# Altium PCB BLDC_DRIVER_1.1_auto.PcbDoc (part 3 of 3)
Units mm, origin at the board's own origin, x right, y up, seen from the top; angles counter-clockwise.
Board outline 152.4 x 126.75 mm, 4 copper layers (Top Layer, Signal Layer 1, Signal Layer 2, Bottom Layer), stack 0.847 mm thick; 192 components, 186 nets, 852 pads, 371 vias.
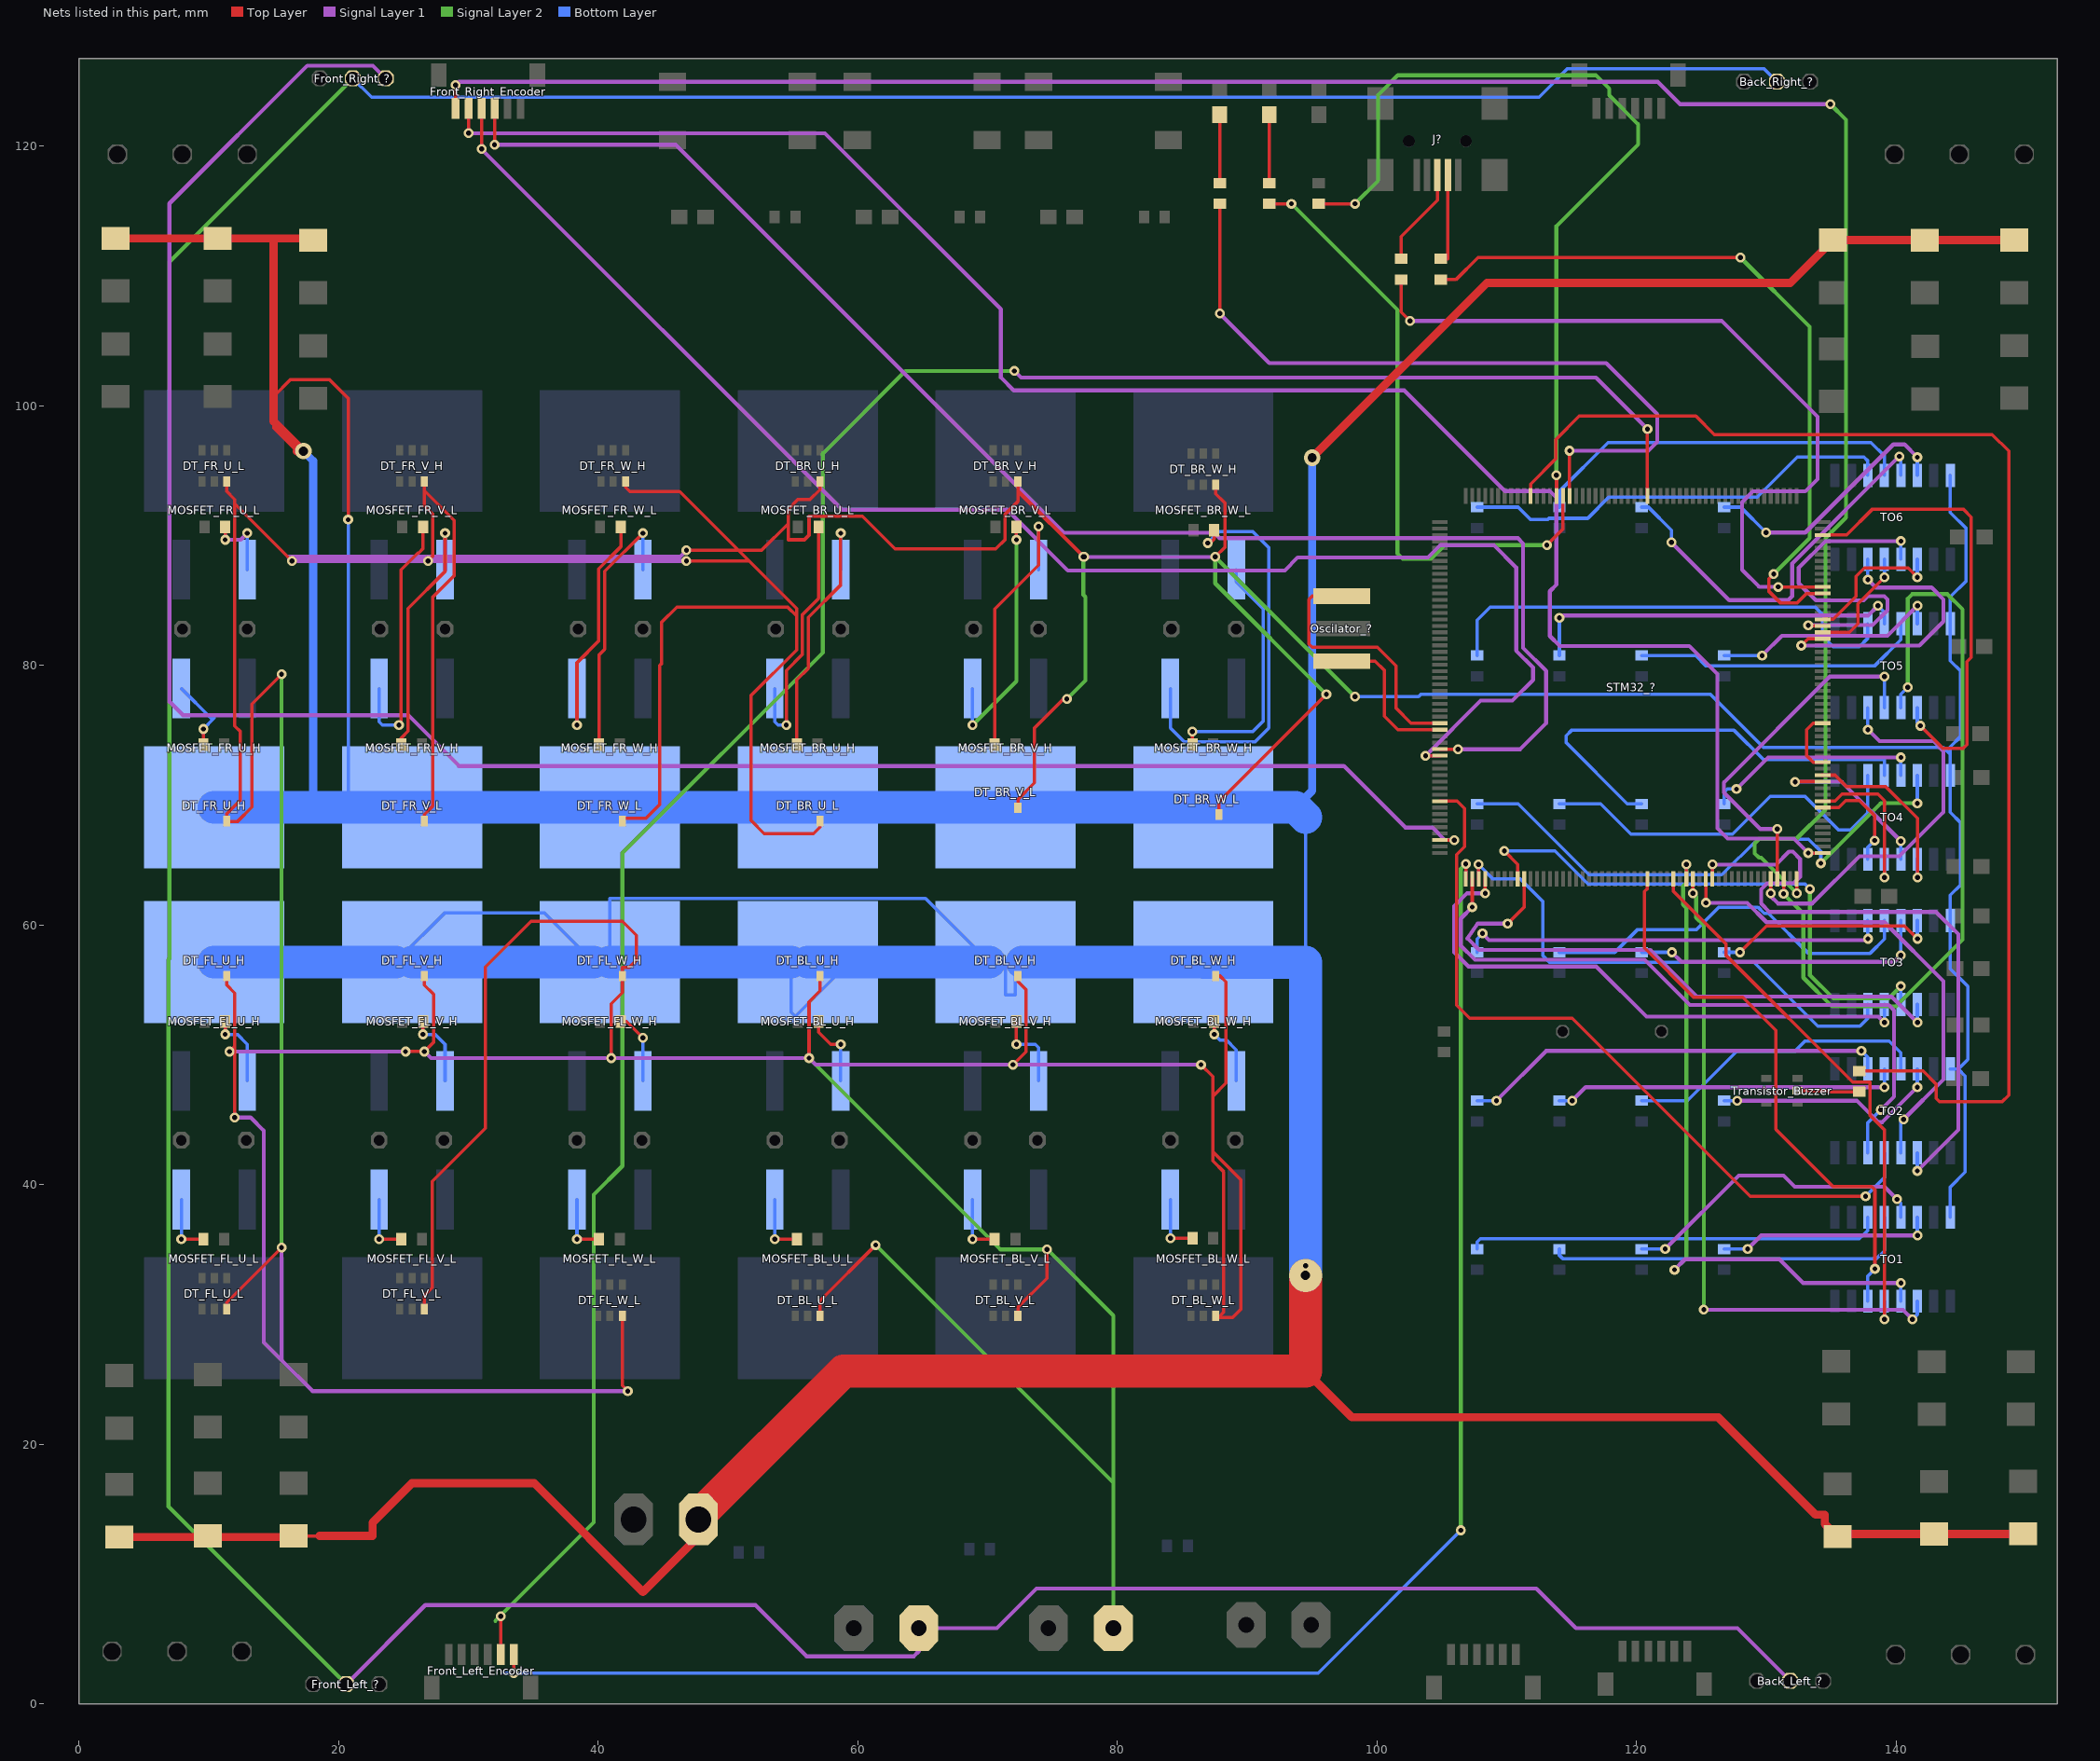
[diagram p5: the nets of this part, all layers, seen from the top]

## Via types
v1: diameter 0.762, hole 0.381, Top Layer to Bottom Layer, 350 vias
v2: diameter 1.27, hole 0.711, Top Layer to Bottom Layer, 11 vias
v3: diameter 4.064, hole 4.064, Top Layer to Bottom Layer, 4 vias
v4: diameter 1.27, hole 0.711, Top Layer to Bottom Layer, tented both sides, 3 vias
v5: diameter 1.5, hole 1.2, Top Layer to Bottom Layer, 2 vias
v6: diameter 2.54, hole 0.711, Top Layer to Bottom Layer, 1 vias

## Nets (pads, with @x,y where several pads share a name; then routed paths per layer and width w, separated by ;. In a path a pad name is that pad's centre, name@x,y a point inside that pad or via, vN(x,y) a via of type N, cw(c..) or ccw(c..) an arc to the next point about the centre after c; other vN are vias at no path point) (continued)
NetFront_Left_Encoder_5: Front_Left_Encoder.5 STM32_?.180 | length 176.5
  Top Layer w0.254: Front_Left_Encoder.5@32.478,3.82 v1(32.478,6.756) ; STM32_?.180@120.83,93.056 v1(120.83,98.22)
  Signal Layer 1 w0.305: v1(72.06,102.692) 72.568,102.184 116.865,102.184 v1(120.83,98.22)
  Signal Layer 2 w0.305: 32.063,6.409 39.649,13.995 39.649,39.243 41.859,41.453 41.859,65.556 57.302,80.999 57.302,96.342 63.652,102.692 v1(72.06,102.692)
NetFront_Left_Encoder_6: Front_Left_Encoder.6 STM32_?.53 | length 132.4
  Top Layer w0.254: v1(33.478,2.388) Front_Left_Encoder.6@33.478,3.82 ; STM32_?.53@106.83,63.556 106.83,64.717 v1(106.832,64.719)
  Signal Layer 2 w0.305: v1(106.451,13.386) 106.451,64.338 v1(106.832,64.719)
  Bottom Layer w0.254: 32.716,2.388 95.453,2.388 v1(106.451,13.386)
NetFront_Right_?_3: Front_Right_?.3 STM32_?.50 | length 164.4
  Top Layer w0.254: STM32_?.50@104.83,66.556 v1(105.943,66.556)
  Signal Layer 1 w0.305: Front_Right_?.3@23.622,125.222 22.631,126.213 17.577,126.213 6.96,115.595 6.96,77.216 8.001,76.175 25.349,76.175 29.261,72.263 97.434,72.263 102.184,67.513 104.267,67.513 105.224,66.556 v1(105.943,66.556)
NetFront_Right_Encoder_3: Front_Right_Encoder.3 STM32_?.36 | length 118.4
  Top Layer w0.254: v1(32.004,120.117) 32.006,120.119 Front_Right_Encoder.3@32.006,122.926 ; STM32_?.36@104.83,73.556 v1(106.246,73.556)
  Signal Layer 1 w0.305: v1(32.004,120.117) 45.961,120.117 75.856,90.221 87.452,90.221 87.859,89.814 110.846,89.814 111.252,89.408 111.252,81.356 113.03,79.578 113.03,75.565 111.021,73.556 v1(106.246,73.556)
NetFront_Right_Encoder_4: Front_Right_Encoder.4 STM32_?.37 | length 118.8
  Top Layer w0.254: v1(31.006,119.786) Front_Right_Encoder.4@31.006,122.926 ; v1(103.734,73.05) 103.739,73.056 STM32_?.37@104.83,73.056
  Signal Layer 1 w0.305: v1(31.006,119.786) 58.794,91.999 71.501,91.999 76.175,87.325 92.888,87.325 93.878,88.316 103.911,88.316 104.877,89.281 108.991,89.281 110.719,87.554 110.719,81.153 112.014,79.858 112.014,78.892 110.414,77.292 107.975,77.292 v1(103.734,73.05)
NetFront_Right_Encoder_5: Front_Right_Encoder.5 STM32_?.105 | length 146.2
  Top Layer w0.254: v1(29.997,121.006) 30.006,121.014 Front_Right_Encoder.5@30.006,122.926 ; v1(133.223,65.556) STM32_?.105@134.33,65.556
  Signal Layer 1 w0.305: v1(29.997,121.006) 57.455,121.006 71.018,107.442 71.018,102.184 72.009,101.194 102.083,101.194 109.83,93.447 113.284,93.447 113.817,92.913 113.817,86.233 113.309,85.725 113.309,82.271 114.071,81.509 124.054,81.509 126.213,79.35 126.213,67.462 127,66.675 132.104,66.675 v1(133.223,65.556)
NetFront_Right_Encoder_6: Front_Right_Encoder.6 STM32_?.104 | length 176.9
  Top Layer w0.254: Front_Right_Encoder.6@29.006,122.926 v1(29.007,124.714) ; STM32_?.104@132.33,63.556 132.33,62.463 v1(132.334,62.459)
  Signal Layer 1 w0.305: v1(29.007,124.714) 29.261,124.968 121.615,124.968 123.342,123.241 v1(134.925,123.241)
  Signal Layer 2 w0.305: v1(132.334,62.459) 129.601,65.191 129.434,65.191 129.093,65.532 129.093,66.294 129.449,66.65 132.309,66.65 134.544,68.885 134.544,89.818 136.119,91.393 136.119,122.047 v1(134.925,123.241)
NetG_1: G.1 R180_LED_G.2 | length 5.3
  Top Layer w0.254: R180_LED_G.2@91.694,117.17 G.1@91.694,122.428
NetJ?_2: J?.2 R22_D-.2 | length 7
  Top Layer w0.254: R22_D-.2@104.902,111.328 105.448,111.328 J?.2@105.448,117.791
NetJ?_3: J?.3 R22_D+.2 | length 7.6
  Top Layer w0.254: R22_D+.2@101.854,111.328 101.854,113.055 104.648,115.849 J?.3@104.648,117.791
NetMOSFET_BL_U_H_G: MOSFET_BL_U_H.G R_BL_U_H.2 | length 5.7
  Top Layer w0.254: R_BL_U_H.2@56.972,52.578 56.972,51.765 57.912,50.825 v1(58.674,50.825)
  Bottom Layer w0.254: MOSFET_BL_U_H.G@58.674,48.006 v1(58.674,50.825)
NetMOSFET_BL_U_L_G: MOSFET_BL_U_L.G R_BL_U_L.2 | length 4.7
  Top Layer w0.254: v1(53.594,35.814) R_BL_U_L.2@55.296,35.814
  Bottom Layer w0.254: v1(53.594,35.814) MOSFET_BL_U_L.G@53.594,38.862
NetMOSFET_BL_V_H_G: MOSFET_BL_V_H.G R_BL_V_H.2 | length 6.1
  Top Layer w0.254: v1(72.212,50.825) R_BL_V_H.2@72.212,52.578
  Bottom Layer w0.254: v1(72.212,50.825) 73.66,50.825 73.914,50.571 MOSFET_BL_V_H.G@73.914,48.006
NetMOSFET_BL_V_L_G: MOSFET_BL_V_L.G R_BL_V_L.2 | length 4.7
  Top Layer w0.254: v1(68.834,35.814) R_BL_V_L.2@70.536,35.814
  Bottom Layer w0.254: v1(68.834,35.814) MOSFET_BL_V_L.G@68.834,38.862
NetMOSFET_BL_W_H_G: MOSFET_BL_W_H.G R_BL_W_H.2 | length 5.6
  Top Layer w0.254: v1(87.452,51.587) R_BL_W_H.2@87.452,52.578
  Bottom Layer w0.254: v1(87.452,51.587) 87.884,51.156 88.392,51.156 89.154,50.394 MOSFET_BL_W_H.G@89.154,48.006
NetMOSFET_BL_W_L_G: MOSFET_BL_W_L.G R_BL_W_L.2 | length 4.7
  Top Layer w0.254: v1(84.074,35.872) R_BL_W_L.2@85.776,35.872
  Bottom Layer w0.254: v1(84.074,35.872) MOSFET_BL_W_L.G@84.074,38.862
NetMOSFET_BR_U_H_G: MOSFET_BR_U_H.G R_BR_U_H.2 | length 19.9
  Top Layer w0.254: v1(54.483,75.413) 54.483,79.627 55.731,80.875 55.731,83.925 56.972,85.166 R_BR_U_H.2@56.972,90.678
  Bottom Layer w0.254: MOSFET_BR_U_H.G@53.594,78.232 53.594,75.667 53.848,75.413 v1(54.483,75.413)
NetMOSFET_BR_U_L_G: MOSFET_BR_U_L.G R_BR_U_L.2 | length 20.5
  Top Layer w0.254: R_BR_U_L.2@55.296,73.914 55.296,78.889 56.189,79.781 56.189,83.718 58.674,86.204 v1(58.674,90.195)
  Bottom Layer w0.254: MOSFET_BR_U_L.G@58.674,87.376 v1(58.674,90.195)
NetMOSFET_BR_V_H_G: MOSFET_BR_V_H.G R_BR_V_H.2 | length 19.5
  Top Layer w0.254: v1(72.212,89.687) R_BR_V_H.2@72.212,90.678
  Signal Layer 2 w0.305: v1(68.834,75.413) 72.212,78.791 v1(72.212,89.687)
  Bottom Layer w0.254: v1(68.834,75.413) MOSFET_BR_V_H.G@68.834,78.232
NetMOSFET_BR_V_L_G: MOSFET_BR_V_L.G R_BR_V_L.2 | length 21.5
  Top Layer w0.254: R_BR_V_L.2@70.536,73.914 70.536,84.353 73.914,87.732 v1(73.914,90.703)
  Bottom Layer w0.254: MOSFET_BR_V_L.G@73.914,87.376 v1(73.914,90.703)
NetMOSFET_BR_W_H_G: MOSFET_BR_W_H.G R_BR_W_H.2 | length 32.3
  Top Layer w0.254: v1(86.944,89.433) 87.122,89.433 87.452,89.764 R_BR_W_H.2@87.452,90.424
  Bottom Layer w0.254: MOSFET_BR_W_H.G@84.074,78.232 84.074,75.184 85.141,74.117 90.602,74.117 91.669,75.184 91.669,89.078 90.424,90.322 87.833,90.322 v1(86.944,89.433)
NetMOSFET_BR_W_L_G: MOSFET_BR_W_L.G R_BR_W_L.2 | length 19.3
  Top Layer w0.254: R_BR_W_L.2@85.776,73.914 v1(85.776,74.905)
  Bottom Layer w0.254: v1(85.776,74.905) 90.424,74.905 91.211,75.692 91.211,84.404 89.154,86.462 MOSFET_BR_W_L.G@89.154,87.376
NetMOSFET_FL_U_H_G: MOSFET_FL_U_H.G R_FL_U_H.2 | length 5.8
  Top Layer w0.254: v1(11.252,51.587) R_FL_U_H.2@11.252,52.578
  Bottom Layer w0.254: v1(11.252,51.587) 12.192,51.587 12.954,50.825 MOSFET_FL_U_H.G@12.954,48.006
NetMOSFET_FL_U_L_G: MOSFET_FL_U_L.G R_FL_U_L.2 | length 4.7
  Top Layer w0.254: v1(7.874,35.814) R_FL_U_L.2@9.576,35.814
  Bottom Layer w0.254: v1(7.874,35.814) MOSFET_FL_U_L.G@7.874,38.862
NetMOSFET_FL_V_H_G: MOSFET_FL_V_H.G R_FL_V_H.2 | length 5.8
  Top Layer w0.254: v1(26.492,51.587) R_FL_V_H.2@26.492,52.578
  Bottom Layer w0.254: v1(26.492,51.587) 27.432,51.587 28.194,50.825 MOSFET_FL_V_H.G@28.194,48.006
NetMOSFET_FL_V_L_G: MOSFET_FL_V_L.G R_FL_V_L.2 | length 4.7
  Top Layer w0.254: v1(23.114,35.814) R_FL_V_L.2@24.816,35.814
  Bottom Layer w0.254: v1(23.114,35.814) MOSFET_FL_V_L.G@23.114,38.862
NetMOSFET_FL_W_H_G: MOSFET_FL_W_H.G R_FL_W_H.2 | length 5.5
  Top Layer w0.254: R_FL_W_H.2@41.732,52.578 42.181,52.578 v1(43.434,51.325)
  Bottom Layer w0.254: MOSFET_FL_W_H.G@43.434,48.006 v1(43.434,51.325)
NetMOSFET_FL_W_L_G: MOSFET_FL_W_L.G R_FL_W_L.2 | length 4.7
  Top Layer w0.254: v1(38.354,35.814) R_FL_W_L.2@40.056,35.814
  Bottom Layer w0.254: v1(38.354,35.814) MOSFET_FL_W_L.G@38.354,38.862
NetMOSFET_FR_U_H_G: MOSFET_FR_U_H.G R_FR_U_H.2 | length 5.9
  Top Layer w0.254: R_FR_U_H.2@9.576,73.914 v1(9.576,75.108)
  Bottom Layer w0.254: MOSFET_FR_U_H.G@7.874,78.232 10.16,75.946 10.414,75.946 v1(9.576,75.108)
NetMOSFET_FR_U_L_G: MOSFET_FR_U_L.G R_FR_U_L.2 | length 5.7
  Top Layer w0.254: v1(11.252,89.687) R_FR_U_L.2@11.252,90.678
  Signal Layer 1 w0.305: v1(11.252,89.687) 12.446,89.687 v1(12.954,90.195)
  Bottom Layer w0.254: MOSFET_FR_U_L.G@12.954,87.376 v1(12.954,90.195)
NetMOSFET_FR_V_H_G: MOSFET_FR_V_H.G R_FR_V_H.2 | length 20.3
  Top Layer w0.254: v1(24.638,75.413) 24.794,75.569 24.794,87.376 26.09,88.671 26.162,88.671 26.492,89.002 R_FR_V_H.2@26.492,90.678
  Bottom Layer w0.254: MOSFET_FR_V_H.G@23.114,78.232 23.114,75.667 23.368,75.413 v1(24.638,75.413)
NetMOSFET_FR_V_L_G: MOSFET_FR_V_L.G R_FR_V_L.2 | length 20.5
  Top Layer w0.254: R_FR_V_L.2@24.816,73.914 24.816,74.422 25.349,74.955 25.349,84.404 28.194,87.249 v1(28.194,90.195)
  Bottom Layer w0.254: MOSFET_FR_V_L.G@28.194,87.376 v1(28.194,90.195)
NetMOSFET_FR_W_H_G: MOSFET_FR_W_H.G R_FR_W_H.2 | length 19.5
  Top Layer w0.254: v1(38.354,75.413) 38.354,80.213 40.034,81.893 40.034,87.456 41.732,89.154 R_FR_W_H.2@41.732,90.678
  Bottom Layer w0.254: v1(38.354,75.413) MOSFET_FR_W_H.G@38.354,78.232
NetMOSFET_FR_W_L_G: MOSFET_FR_W_L.G R_FR_W_L.2 | length 20.5
  Top Layer w0.254: R_FR_W_L.2@40.056,73.914 40.056,80.819 40.491,81.255 40.491,87.253 v1(43.434,90.195)
  Bottom Layer w0.254: MOSFET_FR_W_L.G@43.434,87.376 v1(43.434,90.195)
NetOscilator_?_1: Oscilator_?.1 STM32_?.32 | length 20.6
  Top Layer w0.254: Oscilator_?.1@97.282,85.344 94.996,85.344 94.742,85.09 94.742,81.661 94.996,81.407 100.025,81.407 101.448,79.985 101.448,76.724 102.616,75.556 STM32_?.32@104.83,75.556
NetOscilator_?_3: Oscilator_?.3 STM32_?.33 | length 11.8
  Top Layer w0.254: Oscilator_?.3@97.282,80.344 99.853,80.344 100.559,79.638 100.559,76.097 101.6,75.056 STM32_?.33@104.83,75.056
NetR22_D+_1: R22_D+.1 STM32_?.146 | length 61.2
  Top Layer w0.254: R22_D+.1@101.854,109.728 101.854,107.239 v1(102.54,106.553) ; v1(130.912,86.055) STM32_?.146@134.33,86.056
  Signal Layer 1 w0.305: v1(102.54,106.553) 126.543,106.553 133.934,99.162 133.934,94.361 132.994,93.421 128.956,93.421 128.118,92.583 128.118,87.376 129.438,86.055 v1(130.912,86.055)
NetR22_D-_1: R22_D-.1 STM32_?.145 | length 57.8
  Top Layer w0.254: R22_D-.1@104.902,109.728 106.07,109.728 107.772,111.43 v1(127.991,111.43) ; v1(130.556,87.046) 130.2,86.69 130.2,85.7 131.064,84.837 132.377,84.837 133.096,85.556 STM32_?.145@134.33,85.556
  Signal Layer 2 w0.305: v1(127.991,111.43) 133.325,106.096 133.325,89.814 v1(130.556,87.046)
NetR180_LED_B_1: R180_LED_B.1 STM32_?.194 | length 65.7
  Top Layer w0.254: R180_LED_B.1@95.504,115.57 v1(98.298,115.57) ; v1(113.817,94.666) 113.83,94.653 STM32_?.194@113.83,93.056
  Signal Layer 2 w0.305: v1(98.298,115.57) 100.076,117.348 100.076,123.952 101.6,125.476 116.84,125.476 117.881,124.435 117.881,123.929 120.119,121.691 120.119,120.149 113.817,113.847 v1(113.817,94.666)
NetR180_LED_G_1: R180_LED_G.1 STM32_?.193 | length 48.4
  Top Layer w0.254: R180_LED_G.1@91.694,115.57 v1(93.396,115.57) ; v1(113.081,89.281) 114.33,90.53 STM32_?.193@114.33,93.056
  Signal Layer 2 w0.305: v1(93.396,115.57) 101.575,107.391 101.575,88.621 101.981,88.214 104.165,88.214 105.232,89.281 v1(113.081,89.281)
NetR180_LED_R_1: R180_LED_R.1 STM32_?.192 | length 58
  Top Layer w0.254: v1(87.884,107.112) R180_LED_R.1@87.884,115.57 ; STM32_?.192@114.83,93.056 v1(114.83,96.545)
  Signal Layer 1 w0.305: v1(87.884,107.112) 91.694,103.302 117.653,103.302 121.59,99.365 121.59,97.231 120.904,96.545 v1(114.83,96.545)
NetR180_LED_R_2: R180_LED_R.2 R.1 | length 5.3
  Top Layer w0.254: R180_LED_R.2@87.884,117.17 R.1@87.884,122.428
NetR_DT_BL_U_H_1: R_DT_BL_U_H.1 TO2.13 | length 23.5
  Bottom Layer w0.254: R_DT_BL_U_H.1@120.396,46.482 123.901,46.482 127.711,50.292 132.182,50.292 132.969,51.079 139.438,51.079 140.352,50.165 TO2.13@140.352,48.926
NetR_DT_BL_U_L_1: R_DT_BL_U_L.1 TO3.12 | length 29.8
  Bottom Layer w0.254: R_DT_BL_U_L.1@114.046,57.912 118.313,57.912 120.04,59.639 124.587,59.639 126.34,61.392 129.337,61.392 129.819,60.909 130.15,60.909 133.223,57.836 137.99,57.836 139.082,58.928 TO3.12@139.082,60.356
NetR_DT_BL_V_H_1: R_DT_BL_V_H.1 TO2.14 | length 18.1
  Signal Layer 1 w0.305: v1(127.737,46.482) 136.957,46.482 138.608,44.831 138.93,44.831 v1(141.622,47.523)
  Bottom Layer w0.254: R_DT_BL_V_H.1@126.746,46.482 v1(127.737,46.482) ; v1(141.622,47.523) TO2.14@141.622,48.926
NetR_DT_BL_V_L_1: R_DT_BL_V_L.1 TO3.13 | length 23.1
  Signal Layer 1 w0.305: v1(122.707,57.912) 123.444,57.175 139.844,57.175 v1(140.352,57.683)
  Bottom Layer w0.254: R_DT_BL_V_L.1@120.396,57.912 v1(122.707,57.912) ; v1(140.352,57.683) TO3.13@140.352,60.356
NetR_DT_BL_W_H_1: R_DT_BL_W_H.1 TO3.11 | length 33
  Signal Layer 1 w0.305: v1(108.12,59.36) 108.628,58.852 137.719,58.852 v1(137.82,58.953)
  Bottom Layer w0.254: R_DT_BL_W_H.1@107.696,57.912 107.696,58.935 v1(108.12,59.36) ; TO3.11@137.812,60.356 137.812,58.962 v1(137.82,58.953)
NetR_DT_BL_W_L_1: R_DT_BL_W_L.1 TO3.14 | length 17.5
  Top Layer w0.254: v1(127.965,57.912) 129.997,59.944 140.64,59.944 v1(141.63,58.953)
  Bottom Layer w0.254: R_DT_BL_W_L.1@126.746,57.912 v1(127.965,57.912) ; TO3.14@141.622,60.356 141.622,58.962 v1(141.63,58.953)
NetR_DT_BR_U_H_1: R_DT_BR_U_H.1 TO5.13 | length 22.4
  Bottom Layer w0.254: R_DT_BR_U_H.1@120.396,80.772 124.536,80.772 125.349,79.959 138.32,79.959 140.352,81.991 TO5.13@140.352,83.216
NetR_DT_BR_U_L_1: R_DT_BR_U_L.1 TO6.12 | length 29.7
  Bottom Layer w0.254: R_DT_BR_U_L.1@114.046,92.202 114.046,93.421 117.805,97.18 138.058,97.18 139.082,96.156 TO6.12@139.082,94.646
NetR_DT_BR_V_H_1: R_DT_BR_V_H.1 TO5.14 | length 17.9
  Signal Layer 1 w0.305: v1(129.667,80.772) 131.191,82.296 139.319,82.296 v1(141.63,84.607)
  Bottom Layer w0.254: R_DT_BR_V_H.1@126.746,80.772 v1(129.667,80.772) ; TO5.14@141.622,83.216 141.622,84.599 v1(141.63,84.607)
NetR_DT_BR_V_L_1: R_DT_BR_V_L.1 TO6.13 | length 30.9
  Signal Layer 1 w0.305: v1(122.682,89.484) 127.127,85.039 131.674,85.039 131.978,85.344 131.978,87.859 v1(140.229,96.109)
  Bottom Layer w0.254: R_DT_BR_V_L.1@120.396,92.202 120.904,92.202 122.682,90.424 v1(122.682,89.484) ; v1(140.229,96.109) 140.352,95.986 TO6.13@140.352,94.646
NetR_DT_BR_W_H_1: R_DT_BR_W_H.1 TO6.11 | length 33.8
  Bottom Layer w0.254: R_DT_BR_W_H.1@107.696,92.202 110.871,92.202 111.836,91.237 113.132,91.237 113.233,91.338 116.23,91.338 117.856,92.964 129.286,92.964 132.385,96.063 137.507,96.063 137.812,95.758 TO6.11@137.812,94.646
NetR_DT_BR_W_L_1: R_DT_BR_W_L.1 TO6.14 | length 20.3
  Signal Layer 1 w0.305: v1(129.978,90.24) 132.988,90.24 139.776,97.028 140.64,97.028 v1(141.622,96.046)
  Bottom Layer w0.254: R_DT_BR_W_L.1@126.746,92.202 128.016,92.202 v1(129.978,90.24) ; TO6.14@141.622,94.646 v1(141.622,96.046)
NetR_DT_FL_U_H_1: R_DT_FL_U_H.1 TO1.11 | length 32
  Bottom Layer w0.254: R_DT_FL_U_H.1@107.696,35.052 107.696,35.585 107.95,35.839 137.16,35.839 137.812,36.491 TO1.11@137.812,37.496
NetR_DT_FL_U_L_1: R_DT_FL_U_L.1 TO1.14 | length 16.7
  Signal Layer 1 w0.305: v1(128.549,35.052) 129.591,36.093 v1(141.63,36.093)
  Bottom Layer w0.254: R_DT_FL_U_L.1@126.746,35.052 v1(128.549,35.052) ; TO1.14@141.622,37.496 141.622,36.102 v1(141.63,36.093)
NetR_DT_FL_V_H_1: R_DT_FL_V_H.1 TO1.12 | length 28.4
  Bottom Layer w0.254: R_DT_FL_V_H.1@114.046,35.052 114.046,34.569 114.3,34.315 138.472,34.315 139.082,34.925 TO1.12@139.082,37.496
NetR_DT_FL_V_L_1: R_DT_FL_V_L.1 TO2.11 | length 32.8
  Signal Layer 1 w0.305: v1(109.195,46.482) 113.03,50.317 v1(137.312,50.317)
  Bottom Layer w0.254: R_DT_FL_V_L.1@107.696,46.482 v1(109.195,46.482) ; v1(137.312,50.317) 137.812,49.818 TO2.11@137.812,48.926
NetR_DT_FL_W_H_1: R_DT_FL_W_H.1 TO1.13 | length 24.3
  Signal Layer 1 w0.305: v1(122.199,35.052) 127.864,40.716 131.318,40.716 132.182,39.853 139.09,39.853 v1(140.056,38.887)
  Bottom Layer w0.254: R_DT_FL_W_H.1@120.396,35.052 v1(122.199,35.052) ; v1(140.056,38.887) 140.352,38.591 TO1.13@140.352,37.496
NetR_DT_FL_W_L_1: R_DT_FL_W_L.1 TO2.12 | length 26.9
  Signal Layer 1 w0.305: v1(115.037,46.482) 116.078,47.523 v1(139.09,47.523)
  Bottom Layer w0.254: R_DT_FL_W_L.1@114.046,46.482 v1(115.037,46.482) ; TO2.12@139.082,48.926 139.082,47.532 v1(139.09,47.523)
NetR_DT_FR_U_H_1: R_DT_FR_U_H.1 TO4.11 | length 30.4
  Bottom Layer w0.254: R_DT_FR_U_H.1@114.046,69.342 117.221,69.342 119.558,67.005 127.381,67.005 130.302,69.926 132.969,69.926 135.543,67.352 136.517,67.352 137.812,68.648 TO4.11@137.812,71.532
NetR_DT_FR_U_L_1: R_DT_FR_U_L.1 TO4.14 | length 42.7
  Signal Layer 2 w0.305: v1(134.188,64.77) 138.811,69.393 v1(141.622,69.393)
  Bottom Layer w0.254: R_DT_FR_U_L.1@107.696,69.342 110.871,69.342 116.332,63.881 126.568,63.881 129.311,66.624 133.248,66.624 134.188,65.684 v1(134.188,64.77) ; v1(141.622,69.393) TO4.14@141.622,71.532
NetR_DT_FR_V_H_1: R_DT_FR_V_H.1 TO4.12 | length 35.2
  Bottom Layer w0.254: R_DT_FR_V_H.1@120.396,69.342 119.278,69.342 114.554,74.066 114.554,74.585 114.975,75.006 127.508,75.006 129.743,72.771 139.057,72.771 139.082,72.746 TO4.12@139.082,71.532
NetR_DT_FR_V_L_1: R_DT_FR_V_L.1 TO5.11 | length 36.9
  Bottom Layer w0.254: R_DT_FR_V_L.1@107.696,80.772 107.696,83.49 108.712,84.506 133.756,84.506 134.315,83.947 134.315,82.271 135.128,81.458 137.16,81.458 137.812,82.11 TO5.11@137.812,83.216
NetR_DT_FR_W_H_1: R_DT_FR_W_H.1 TO4.13 | length 17
  Signal Layer 1 w0.305: v1(127.686,70.485) 130.124,72.923 v1(140.36,72.923)
  Bottom Layer w0.254: R_DT_FR_W_H.1@126.746,69.342 126.746,70.231 127,70.485 v1(127.686,70.485) ; TO4.13@140.352,71.532 140.352,72.915 v1(140.36,72.923)
NetR_DT_FR_W_L_1: R_DT_FR_W_L.1 TO5.12 | length 29.4
  Signal Layer 1 w0.305: v1(114.046,83.668) 114.224,83.845 137.82,83.845 v1(138.582,84.607)
  Bottom Layer w0.254: R_DT_FR_W_L.1@114.046,80.772 v1(114.046,83.668) ; v1(138.582,84.607) 139.082,84.108 TO5.12@139.082,83.216
NetR_TRANSISTOR_Buzzer_1: R_TRANSISTOR_Buzzer.1 STM32_?.198 | length 104.9
  Top Layer w0.254: STM32_?.198@111.83,93.056 111.83,93.98 113.792,95.942 113.792,97.434 115.57,99.212 124.562,99.212 125.984,97.79 147.396,97.79 148.666,96.52 148.666,46.914 148.158,46.406 143.336,46.406 143.082,46.66 143.082,47.752 142.066,48.768 R_TRANSISTOR_Buzzer.1@137.16,48.768
NetR_TRANSISTOR_Buzzer_2: R_TRANSISTOR_Buzzer.2 Transistor_Buzzer.2 | length 4.8
  Top Layer w0.254: Transistor_Buzzer.2@132.39,47.244 134.722,47.244 134.798,47.168 R_TRANSISTOR_Buzzer.2@137.16,47.168
NetSTM32_?_44: STM32_?.44 TO2.5 | length 59.1
  Top Layer w0.254: STM32_?.44@104.83,69.556 106.172,69.556 106.731,68.997 106.731,66.04 106.121,65.43 106.121,53.848 107.137,52.832 115.037,52.832 128.754,39.114 v1(137.633,39.114)
  Bottom Layer w0.254: v1(137.633,39.114) 139.082,40.564 TO2.5@139.082,42.466
NetSTM32_?_54: STM32_?.54 TO2.6 | length 52.7
  Top Layer w0.254: v1(107.33,61.392) STM32_?.54@107.33,63.556
  Signal Layer 1 w0.305: v1(107.33,61.392) 106.451,60.513 106.451,58.42 107.544,57.328 120.625,57.328 124.104,53.848 139.421,53.848 139.827,53.442 139.827,46.791 v1(138.811,45.775)
  Bottom Layer w0.254: TO2.6@137.812,42.466 137.812,44.776 v1(138.811,45.775)
NetSTM32_?_55: STM32_?.55 TO3.6 | length 40
  Top Layer w0.254: v1(107.823,64.668) 107.83,64.661 STM32_?.55@107.83,63.556
  Bottom Layer w0.254: v1(107.823,64.668) 108.941,63.551 111.049,63.551 112.776,61.824 112.776,57.658 113.284,57.15 129.032,57.15 133.96,52.222 137.202,52.222 137.812,52.832 TO3.6@137.812,53.896
NetSTM32_?_56: STM32_?.56 TO3.5 | length 44.2
  Top Layer w0.254: v1(108.33,62.459) STM32_?.56@108.33,63.556
  Signal Layer 1 w0.305: v1(108.33,62.459) 106.934,62.459 105.943,61.468 105.943,57.912 107.036,56.82 116.891,56.82 120.752,52.959 138.625,52.959 v1(139.082,52.502)
  Bottom Layer w0.254: v1(139.082,52.502) TO3.5@139.082,53.896
NetSTM32_?_61: STM32_?.61 TO3.4 | length 43.5
  Top Layer w0.254: v1(109.804,65.71) 110.83,64.684 STM32_?.61@110.83,63.556
  Signal Layer 2 w0.305: v1(133.35,62.789) 133.35,56.159 135.153,54.356 139.412,54.356 v1(140.352,55.296)
  Bottom Layer w0.254: v1(109.804,65.71) 113.716,65.71 116.256,63.17 132.969,63.17 v1(133.35,62.789) ; TO3.4@140.352,53.896 v1(140.352,55.296)
NetSTM32_?_62: STM32_?.62 TO3.3 | length 46.4
  Top Layer w0.254: v1(110.06,60.122) 111.33,61.392 STM32_?.62@111.33,63.556
  Signal Layer 1 w0.305: v1(110.06,60.122) 107.747,60.122 106.959,58.979 107.848,58.09 121.056,58.09 124.638,54.508 139.624,54.508 v1(141.63,52.502)
  Bottom Layer w0.254: TO3.3@141.622,53.896 141.622,52.51 v1(141.63,52.502)
NetSTM32_?_81: STM32_?.81 TO1.6 | length 44.2
  Top Layer w0.254: STM32_?.81@120.83,63.556 120.83,62.816 120.599,62.586 120.599,58.242 124.384,54.458 128.168,54.458 130.734,51.892 130.734,44.271 135.127,39.878 138.1,39.878 138.354,39.624 v1(138.354,33.528)
  Bottom Layer w0.254: TO1.6@137.812,31.036 137.812,32.986 v1(138.354,33.528)
NetSTM32_?_85: STM32_?.85 TO1.5 | length 42.8
  Top Layer w0.254: STM32_?.85@122.83,63.556 122.83,62.615 126.898,58.547 126.898,57.658 136.652,47.904 137.973,47.904 137.973,45.339 139.082,44.23 v1(139.082,29.642)
  Bottom Layer w0.254: v1(139.082,29.642) TO1.5@139.082,31.036
NetSTM32_?_87: STM32_?.87 TO1.4 | length 52.9
  Top Layer w0.254: v1(123.825,64.668) 123.83,64.663 STM32_?.87@123.83,63.556
  Signal Layer 1 w0.305: v1(122.911,33.452) 123.723,34.265 130.988,34.265 132.817,32.436 v1(140.36,32.436)
  Signal Layer 2 w0.305: v1(122.911,33.452) 123.825,34.366 123.825,61.341 123.571,61.595 123.571,62.992 123.825,63.246 v1(123.825,64.668)
  Bottom Layer w0.254: TO1.4@140.352,31.036 140.352,32.427 v1(140.36,32.436)
NetSTM32_?_88: STM32_?.88 TO1.3 | length 51.5
  Top Layer w0.254: v1(124.33,62.459) STM32_?.88@124.33,63.556
  Signal Layer 1 w0.305: v1(125.171,30.378) 140.513,30.378 v1(141.249,29.642)
  Signal Layer 2 w0.305: v1(124.33,62.459) 124.587,62.202 124.587,60.579 125.171,59.995 v1(125.171,30.378)
  Bottom Layer w0.254: v1(141.249,29.642) 141.622,30.014 TO1.3@141.622,31.036
NetSTM32_?_90: STM32_?.90 TO2.4 | length 37.2
  Top Layer w0.254: v1(125.33,61.722) STM32_?.90@125.33,63.556
  Signal Layer 1 w0.305: v1(125.33,61.722) 128.511,61.722 130.009,60.223 139.09,60.223 143.637,55.677 143.637,48.112 v1(140.564,45.038)
  Bottom Layer w0.254: TO2.4@140.352,42.466 140.352,44.827 v1(140.564,45.038)
NetSTM32_?_91: STM32_?.91 TO2.3 | length 51.5
  Top Layer w0.254: STM32_?.91@125.83,63.556 125.83,64.667 v1(125.832,64.668)
  Signal Layer 1 w0.305: v1(125.832,64.668) 130.734,64.668 131.724,65.659 132.029,65.659 132.588,65.1 132.588,63.729 132.08,63.221 130.048,63.221 129.591,62.763 129.591,61.66 130.24,61.011 143.078,61.011 144.783,59.306 144.783,44.233 v1(141.622,41.072)
  Bottom Layer w0.254: v1(141.622,41.072) TO2.3@141.622,42.466
NetSTM32_?_100: STM32_?.100 TO5.6 | length 30.7
  Top Layer w0.254: v1(130.33,62.459) STM32_?.100@130.33,63.556
  Signal Layer 1 w0.305: v1(130.33,62.459) 130.33,62.227 130.886,61.671 133.528,61.671 137.16,65.303 140.233,65.303 143.637,68.707 143.637,73.406 142.875,74.168 138.709,74.168 v1(137.812,75.065)
  Bottom Layer w0.254: v1(137.812,75.065) TO5.6@137.812,76.756
NetSTM32_?_101: STM32_?.101 TO5.5 | length 28
  Top Layer w0.254: STM32_?.101@130.83,63.556 v1(130.83,67.412)
  Signal Layer 1 w0.305: v1(130.83,67.412) 129.515,67.412 126.721,70.206 126.721,70.993 134.874,79.146 v1(139.082,79.146)
  Bottom Layer w0.254: TO5.5@139.082,76.756 v1(139.082,79.146)
NetSTM32_?_102: STM32_?.102 TO5.4 | length 62.5
  Top Layer w0.254: v1(131.318,62.408) 131.33,62.42 STM32_?.102@131.33,63.556
  Signal Layer 2 w0.305: v1(131.318,62.408) 132.842,60.884 132.842,55.949 135.045,53.746 139.979,53.746 145.11,58.877 145.11,84.328 143.942,85.496 141.224,85.496 140.894,85.166 v1(140.894,78.334)
  Bottom Layer w0.254: TO5.4@140.352,76.756 140.352,77.792 v1(140.894,78.334)
NetSTM32_?_112: STM32_?.112 TO4.6 | length 8.3
  Top Layer w0.254: STM32_?.112@134.33,69.056 135.571,69.056 136.111,69.596 137.16,69.596 138.328,68.428 v1(138.328,66.523)
  Bottom Layer w0.254: TO4.6@137.812,65.072 137.812,66.006 v1(138.328,66.523)
NetSTM32_?_113: STM32_?.113 TO4.5 | length 12.5
  Top Layer w0.254: STM32_?.113@134.33,69.556 135.28,69.556 135.828,70.104 138.582,70.104 139.09,69.596 v1(139.09,63.678)
  Bottom Layer w0.254: TO4.5@139.082,65.072 139.082,63.686 v1(139.09,63.678)
NetSTM32_?_116: STM32_?.116 TO4.4 | length 13.6
  Top Layer w0.254: v1(132.207,71.044) 132.219,71.056 STM32_?.116@134.33,71.056
  Signal Layer 1 w0.305: v1(132.207,71.044) 135.78,71.044 v1(140.352,66.472)
  Bottom Layer w0.254: TO4.4@140.352,65.072 v1(140.352,66.472)
NetSTM32_?_117: STM32_?.117 TO4.3 | length 14.6
  Top Layer w0.254: STM32_?.117@134.33,71.556 135.28,71.556 136.174,70.663 139.192,70.663 141.63,68.224 v1(141.63,63.678)
  Bottom Layer w0.254: TO4.3@141.622,65.072 141.622,63.686 v1(141.63,63.678)
NetSTM32_?_119: STM32_?.119 STM32_?.125 | length 4.9
  Top Layer w0.254: STM32_?.119@134.33,72.556 133.604,72.556 133.096,73.064 133.096,75.048 133.604,75.556 STM32_?.125@134.33,75.556
NetSTM32_?_138: STM32_?.138 TO6.6 | length 23.3
  Top Layer w0.254: v1(132.678,81.534) 133.2,82.056 STM32_?.138@134.33,82.056
  Signal Layer 1 w0.305: v1(132.678,81.534) 141.783,81.534 143.637,83.388 143.637,85.09 142.723,86.004 138.43,86.004 v1(137.812,86.622)
  Bottom Layer w0.254: v1(137.812,86.622) TO6.6@137.812,88.186
NetSTM32_?_139: STM32_?.139 TO6.5 | length 8.8
  Top Layer w0.254: STM32_?.139@134.33,82.556 136.398,82.556 137.052,83.21 137.052,84.754 v1(139.09,86.792)
  Bottom Layer w0.254: TO6.5@139.082,88.186 139.082,86.8 v1(139.09,86.792)
NetSTM32_?_140: STM32_?.140 TO6.4 | length 27.5
  Top Layer w0.254: v1(133.223,83.109) 133.276,83.056 STM32_?.140@134.33,83.056
  Signal Layer 1 w0.305: v1(133.223,83.109) 138.176,83.109 139.319,84.252 139.319,85.09 139.065,85.344 137.82,85.344 137.49,85.014 133.807,85.014 132.486,86.335 132.486,87.528 134.544,89.586 v1(140.36,89.586)
  Bottom Layer w0.254: TO6.4@140.352,88.186 140.352,89.577 v1(140.36,89.586)
NetSTM32_?_141: STM32_?.141 TO6.3 | length 11.5
  Top Layer w0.254: STM32_?.141@134.33,83.556 135.128,83.556 136.906,85.334 136.906,86.868 137.541,87.503 140.911,87.503 v1(141.622,86.792)
  Bottom Layer w0.254: v1(141.622,86.792) TO6.3@141.622,88.186
NetSTM32_?_154: STM32_?.154 TO5.3 | length 36.1
  Top Layer w0.254: STM32_?.154@134.33,90.056 136.169,90.056 138.138,92.024 145.186,92.024 145.771,91.44 145.771,80.62 145.44,80.289 145.44,73.914 145.161,73.635 143.586,73.635 v1(141.859,75.362)
  Bottom Layer w0.254: TO5.3@141.622,76.756 141.622,75.599 v1(141.859,75.362)
VCC_5V: 5V_Supply.2 DT_BL_U_H.6 DT_BL_U_L.6 DT_BL_V_H.6 DT_BL_V_L.6 DT_BL_W_H.6 DT_BL_W_L.6 DT_BR_U_H.6 DT_BR_U_L.6 DT_BR_V_H.6 DT_BR_V_L.6 DT_BR_W_H.6 DT_BR_W_L.6 DT_FL_U_H.6 DT_FL_U_L.6 DT_FL_V_H.6 DT_FL_V_L.6 DT_FL_W_H.6 DT_FL_W_L.6 DT_FR_U_H.6 DT_FR_U_L.6 DT_FR_V_H.6 DT_FR_V_L.6 DT_FR_W_H.6 DT_FR_W_L.6 TO1.16 TO2.16 TO3.16 TO4.16 TO5.16 TO6.16 | length 875.8
  Top Layer w0.254: DT_FL_U_L.6@11.364,30.422 11.364,30.937 v1(15.596,35.169) ; DT_FL_U_H.6@11.364,56.076 11.364,55.397 11.989,54.773 11.989,50.673 ; DT_FR_U_L.6@11.364,94.176 11.364,93.421 11.989,92.796 11.989,92.481 ; v1(11.582,50.267) 11.989,50.673 ; v1(11.989,45.187) 11.989,50.673 ; v1(15.596,79.324) 13.31,77.038 13.31,69.088 12.217,67.996 11.364,67.996 DT_FR_U_H.6@11.364,68.014 11.364,68.58 12.426,69.642 12.426,74.909 11.989,75.347 11.989,92.481 ; v1(16.408,88.062) 11.989,92.481 ; v1(25.146,50.267) v1(26.603,50.267) 27.315,50.979 27.315,54.677 26.604,55.389 DT_FL_V_H.6@26.604,56.076 ; DT_FL_V_L.6@26.604,30.422 26.604,31.475 27.209,32.08 27.209,40.266 31.293,44.35 31.293,56.769 34.823,60.3 41.845,60.3 42.926,59.219 42.926,57.302 42.352,56.728 41.844,56.728 DT_FL_W_H.6@41.844,56.076 41.844,54.798 40.996,53.95 v1(40.996,49.759) ; DT_FR_V_L.6@26.604,68.014 26.604,68.529 27.229,69.154 27.229,85.242 28.905,86.919 28.905,91.171 26.604,93.472 ; DT_FR_V_H.6@26.604,94.176 26.604,93.472 ; v1(26.873,88.062) 27.229,88.417 27.229,91.679 26.604,92.304 26.604,93.472 ; DT_FL_W_L.6@41.844,29.914 41.844,24.526 v1(42.266,24.105) ; DT_FR_W_L.6@41.844,68.014 41.844,68.25 43.688,68.25 44.729,69.291 44.729,80.01 44.856,80.137 44.856,83.312 46.05,84.506 54.588,84.506 55.274,83.82 ; DT_FR_W_H.6@42.098,94.176 42.098,93.716 42.418,93.396 46.283,93.396 50.804,88.875 ; v1(46.787,88.062) 51.617,88.062 ; v1(46.787,88.875) 50.804,88.875 ; v1(56.236,49.759) 56.236,54.092 57.084,54.94 DT_BL_U_H.6@57.084,56.076 ; DT_BL_U_L.6@57.084,29.914 57.084,31.074 v1(61.366,35.357) ; DT_BR_U_L.6@57.084,68.014 57.084,67.564 56.576,67.056 52.781,67.056 51.765,68.072 51.765,77.695 55.274,81.204 55.274,83.82 ; DT_BR_U_H.6@57.084,94.176 57.084,93.558 56.312,92.786 55.372,92.786 54.635,92.05 54.635,90.932 ; v1(71.947,49.251) 72.949,50.253 72.949,55.042 72.324,55.667 DT_BL_V_H.6@72.324,56.076 ; DT_BL_V_L.6@72.324,29.914 72.324,30.556 74.574,32.807 v1(74.574,35.027) ; DT_BR_V_L.6@72.324,69.03 72.324,69.677 73.609,70.962 73.609,75.184 75.844,77.419 v1(76.098,77.419) ; DT_BR_V_H.6@72.324,94.176 72.324,93.487 ; v1(77.368,88.367) 72.324,93.411 ; v1(77.445,88.367) 77.406,88.405 72.324,93.487 ; v1(86.436,49.251) 87.351,48.336 87.351,46.812 ; v1(87.528,88.367) 88.275,89.113 88.275,92.523 87.564,93.235 DT_BR_W_H.6@87.564,93.922 ; DT_BL_W_L.6@87.564,29.914 DT_BL_W_L.6@87.564,29.896 ; DT_BL_W_H.6@87.564,56.076 87.564,56.083 87.909,56.083 88.367,55.626 88.367,47.828 87.351,46.812 ; DT_BR_W_L.6@87.818,68.522 87.818,69.505 v1(96.088,77.775) ; 50.804,88.875 51.617,88.062 ; 50.804,88.875 52.578,88.875 54.635,90.932 ; 51.617,88.062 55.274,84.404 55.274,83.82 ; 54.635,90.932 54.635,89.687 55.88,89.687 56.236,90.043 56.236,91.491 60.35,91.491 62.865,88.976 70.612,88.976 71.349,89.713 71.349,91.658 72.324,92.634 72.324,93.411 ; 72.324,93.411 72.324,93.487 ; 87.351,42.545 87.351,46.812 ; 87.351,42.545 87.351,41.834 88.189,40.996 88.189,30.201 87.884,29.896 DT_BL_W_L.6@87.564,29.896 ; 87.351,42.545 89.51,40.386 89.51,30.404 88.9,29.794 87.564,29.794 DT_BL_W_L.6@87.564,29.896
  Signal Layer 1 w0.305: v1(11.582,50.267) v1(25.146,50.267) ; v1(11.989,45.187) 13.208,45.187 14.224,44.171 14.224,27.864 15.596,26.492 ; v1(15.596,35.169) 15.596,26.492 ; v1(26.603,50.267) 27.111,49.759 v1(40.996,49.759) v1(56.236,49.759) 56.744,49.251 v1(71.947,49.251) v1(86.436,49.251) ; v1(42.266,24.105) 17.983,24.105 15.596,26.492 ; v1(46.787,88.062) v1(26.873,88.062) v1(16.408,88.062) 16.099,88.371 46.284,88.371 v1(46.787,88.875) ; v1(77.445,88.367) v1(87.528,88.367)
  Signal Layer 2 w0.305: v1(15.596,35.169) v1(15.596,79.324) ; v1(56.236,49.759) 70.968,35.027 v1(74.574,35.027) 79.676,29.925 79.676,17.047 ; v1(61.366,35.357) 79.676,17.047 ; v1(76.098,77.419) 77.521,78.842 77.521,85.293 77.368,85.446 v1(77.368,88.367) ; 5V_Supply.2@79.676,5.842 79.676,17.047 ; v1(96.088,77.775) 87.528,86.335 v1(87.528,88.367) v1(98.298,77.597)
  Bottom Layer w0.254: v1(98.298,77.597) 103.2,77.597 103.403,77.8 125.654,77.8 129.769,73.685 143.629,73.685 144.162,73.152 ; TO1.16@144.162,37.496 144.162,39.819 145.313,40.97 145.313,48.387 144.78,48.92 ; TO2.16@144.162,48.926 144.162,48.92 144.78,48.92 ; TO6.16@144.162,94.646 144.162,91.796 145.39,90.568 145.39,86.512 144.162,85.285 TO5.16@144.162,83.216 144.162,80.374 144.958,79.578 144.958,74.532 144.162,73.736 144.162,73.152 ; 144.162,73.152 TO4.16@144.162,71.532 144.162,68.69 144.958,67.894 144.958,63.102 144.162,62.306 TO3.16@144.162,60.356 144.162,56.642 145.517,55.287 145.517,49.657 144.78,48.92
VCC_MOTOR: MOSFET_BL_U_H.D MOSFET_BL_V_H.D MOSFET_BL_W_H.D MOSFET_BR_U_H.D MOSFET_BR_V_H.D MOSFET_BR_W_H.D MOSFET_FL_U_H.D MOSFET_FL_V_H.D MOSFET_FL_W_H.D MOSFET_FR_U_H.D MOSFET_FR_V_H.D MOSFET_FR_W_H.D MOTOR_Supply.2 Schottky_diode_BL_U_H.2 Schottky_diode_BL_V_H.2 Schottky_diode_BL_W_H.2 Schottky_diode_BR_U_H.2 Schottky_diode_BR_V_H.2 Schottky_diode_BR_W_H.2 Schottky_diode_FL_U_H.2 Schottky_diode_FL_V_H.2 Schottky_diode_FL_W_H.2 Schottky_diode_FR_U_H.2 Schottky_diode_FR_V_H.2 Schottky_diode_FR_W_H.2 | length 865.1
  Top Layer w0.254: Schottky_diode_FL_V_H.2@9.906,12.954 Schottky_diode_FL_W_H.2@16.51,12.954 18.542,12.954 ; 15.407,12.867 Schottky_diode_FL_W_H.2@16.423,12.867 ; v2@16.764,96.52 14.986,98.298 14.986,98.806 14.986,100.736 16.256,102.006 19.304,102.006 20.726,100.584 v1(20.726,91.237) ; MOTOR_Supply.2@47.712,14.478 47.712,15.098 59.284,26.67 93.472,26.67 94.488,27.686 v6(94.488,33.02) v1(94.488,33.757)
  Top Layer w0.635: Schottky_diode_FR_U_H.2@2.794,112.903 Schottky_diode_FR_V_H.2@10.668,112.903 14.986,112.903 ; Schottky_diode_FL_U_H.2@3.102,12.867 15.407,12.867 ; Schottky_diode_FL_W_H.2@16.423,12.867 Schottky_diode_FL_W_H.2@16.51,12.954 ; v2@16.764,96.52 v2(17.272,96.52) 14.986,98.806 14.986,112.903 ; Schottky_diode_FR_W_H.2@18.034,112.762 17.893,112.903 14.986,112.903 ; 18.542,12.954 22.606,12.954 22.606,13.97 25.654,17.018 35.052,17.018 43.434,8.636 47.712,12.914 MOTOR_Supply.2@47.712,14.478 ; 94.488,25.654 98.044,22.098 126.281,22.098 133.785,14.594 134.496,14.594 134.496,13.883 Schottky_diode_BL_U_H.2@135.474,12.905 135.679,13.11 Schottky_diode_BL_W_H.2@149.761,13.11 ; v2(94.996,96.012) 108.458,109.474 131.826,109.474 Schottky_diode_BR_U_H.2@135.128,112.776 Schottky_diode_BR_W_H.2@149.098,112.776
  Top Layer w2.54: MOTOR_Supply.2@47.712,14.478 58.888,25.654 94.488,25.654 v6(94.488,33.02)
  Bottom Layer w0.254: MOSFET_FL_U_H.D@10.166,57.404 MOSFET_FL_V_H.D@24.632,57.404 ; v1(20.726,91.237) 20.726,70.104 21.742,69.088 94.107,69.088 94.488,68.707 94.488,68.314 94.488,57.15 v1(94.488,33.757) ; MOSFET_FL_V_H.D@24.384,57.156 MOSFET_FL_V_H.D@24.632,57.404 ; MOSFET_FL_W_H.D@39.624,57.156 MOSFET_FL_W_H.D@39.376,57.404 ; MOSFET_FL_W_H.D@40.894,57.156 MOSFET_FL_W_H.D@40.894,57.404 ; MOSFET_BL_U_H.D@54.864,57.156 54.864,53.289 55.169,52.984 59.334,57.15 64.262,57.15 64.256,57.156 ; MOSFET_BL_U_H.D@56.134,57.156 64.256,57.156 ; 64.541,56.877 64.262,57.156 64.256,57.156 ; MOSFET_BL_V_H.D@70.104,57.156 65.208,62.052 40.894,62.052 MOSFET_FL_W_H.D@40.894,57.404 ; MOSFET_BL_V_H.D@71.374,57.156 71.374,54.61 72.136,54.61 72.136,57.156 MOSFET_BL_V_H.D@72.644,57.156 ; MOSFET_FL_V_H.D@24.632,57.404 MOSFET_FL_W_H.D@39.376,57.404 ; MOSFET_FL_V_H.D@24.632,57.404 28.188,60.96 35.82,60.96 MOSFET_FL_W_H.D@39.376,57.404 ; MOSFET_FL_W_H.D@39.376,57.404 MOSFET_FL_W_H.D@40.894,57.404 ; MOSFET_FL_W_H.D@40.894,57.404 64.008,57.404 64.256,57.156
  Bottom Layer w0.635: MOSFET_FL_U_H.D@10.166,57.404 MOSFET_FL_U_H.D@10.414,57.156 ; v2(17.272,96.52) 18.034,95.758 18.034,69.082 ; 93.72,69.082 94.996,70.358 v2(94.996,96.012)
  Bottom Layer w2.54: MOSFET_FL_U_H.D@10.414,57.156 MOSFET_FL_V_H.D@24.384,57.156 ; MOSFET_FR_U_H.D@10.414,69.082 18.034,69.082 MOSFET_FR_V_H.D@25.654,69.082 MOSFET_FR_W_H.D@40.894,69.082 MOSFET_BR_U_H.D@56.134,69.082 MOSFET_BR_V_H.D@71.374,69.082 MOSFET_BR_W_H.D@86.614,69.082 93.72,69.082 94.488,68.314 ; MOSFET_FL_V_H.D@25.654,57.156 MOSFET_FL_W_H.D@39.624,57.156 ; MOSFET_FL_W_H.D@40.894,57.156 MOSFET_BL_U_H.D@54.864,57.156 ; MOSFET_BL_U_H.D@56.134,57.156 MOSFET_BL_V_H.D@70.104,57.156 ; MOSFET_BL_V_H.D@72.644,57.156 MOSFET_BL_W_H.D@86.614,57.156 86.62,57.15 94.488,57.15 v6(94.488,33.02)
VCC_SERVO: Back_Left_?.2 Back_Right_?.2 Front_Left_?.2 Front_Right_?.2 Servo_Supply.2 | length 368.5
  Signal Layer 1 w0.305: Front_Left_?.2@20.574,1.524 26.67,7.62 52.103,7.62 56.04,3.683 64.309,3.683 64.69,4.064 Servo_Supply.2@64.69,5.842 70.714,5.842 73.762,8.89 112.268,8.89 115.316,5.842 127.762,5.842 Back_Left_?.2@131.826,1.778
  Signal Layer 2 w0.305: Front_Left_?.2@20.574,1.524 6.883,15.215 6.883,57.353 6.96,57.429 6.96,111.1 Front_Right_?.2@21.082,125.222
  Bottom Layer w0.254: Front_Right_?.2@21.082,125.222 22.53,123.774 112.471,123.774 114.681,125.984 129.794,125.984 Back_Right_?.2@130.81,124.968
pads on no net: ANYFC_F7.7 ANYFC_F7.8 Back_Left_Encoder.7 Back_Left_Encoder.8 Back_Right_Encoder.7 Back_Right_Encoder.8 Front_Left_Encoder.7 Front_Left_Encoder.8 Front_Right_Encoder.7 Front_Right_Encoder.8 J?.1 J?.4 J?.MH1 J?.MH2 J?.Shell STM32_?.2 STM32_?.7 STM32_?.8 STM32_?.9 STM32_?.10 STM32_?.11 STM32_?.12 STM32_?.13 STM32_?.16 STM32_?.17 STM32_?.18 STM32_?.19 STM32_?.20 STM32_?.21 STM32_?.22 STM32_?.23 STM32_?.24 STM32_?.31 STM32_?.35 STM32_?.38 STM32_?.43 STM32_?.46 STM32_?.47 STM32_?.49 STM32_?.57 STM32_?.58 STM32_?.64 STM32_?.65 STM32_?.66 STM32_?.67 STM32_?.68 STM32_?.69 STM32_?.70 STM32_?.71 STM32_?.74 STM32_?.75 STM32_?.76 STM32_?.77 STM32_?.78 STM32_?.79 STM32_?.80 STM32_?.84 STM32_?.86 STM32_?.89 STM32_?.95 STM32_?.97 STM32_?.98 STM32_?.106 STM32_?.107 STM32_?.108 STM32_?.109 STM32_?.110 STM32_?.111 STM32_?.120 STM32_?.121 STM32_?.123 STM32_?.124 STM32_?.126 STM32_?.127 STM32_?.129 STM32_?.130 STM32_?.131 STM32_?.132 STM32_?.133 STM32_?.134 STM32_?.135 STM32_?.142 STM32_?.143 STM32_?.144 STM32_?.147 STM32_?.151 STM32_?.152 STM32_?.153 STM32_?.155 STM32_?.156 STM32_?.157 STM32_?.159 STM32_?.163 STM32_?.164 STM32_?.165 STM32_?.166 STM32_?.167 STM32_?.168 STM32_?.169 STM32_?.172 STM32_?.174 STM32_?.175 STM32_?.176 STM32_?.177 STM32_?.179 STM32_?.181 STM32_?.182 STM32_?.183 STM32_?.186 STM32_?.187 STM32_?.188 STM32_?.189 STM32_?.190 STM32_?.191 STM32_?.195 STM32_?.196 STM32_?.199 STM32_?.200 STM32_?.201 STM32_?.203 STM32_?.205 STM32_?.206 STM32_?.207 STM32_?.208 TO1.7 TO1.10 TO2.7 TO2.10 TO3.7 TO3.10 TO4.7 TO4.10 TO5.7 TO5.10 TO6.7 TO6.10 Transistor_Buzzer.3 Transistor_Buzzer.4 Transistor_Buzzer.5
copper on no net:
  other v3: 121.666,12.192 29.464,12.954 123.698,115.062 29.972,115.316
  other v5: 39.712,9.024 50.712,9.024

## Silkscreen, mask and mechanical layers (free items; w line width, h text height)
Top Overlay:
  drawing of 27 lines, arcs and shapes, not listed
  text "-" at 18.034,121.92 h1.52
  text "+" at 20.574,121.92 h1.52
  text "S" at 23.368,121.92 h1.52
  text "S" at 127.762,121.666 h1.52
  text "+" at 130.302,121.666 h1.52
  text "-" at 133.096,121.666 h1.52
  text "Encoder" at 115.062,119.888 h1.52
  text "Encoder" at 27.686,119.38 h1.52
  text "LED" at 89.662,118.872 h1.52
  text "BL" at 17.018,117.602 h1.52
  text "BR" at 132.334,116.586 h1.52
  text "R" at 2.286,114.808 h1.52
  text "Y" at 13.716,114.554 h1.52
  text "R" at 149.352,114.554 h1.52
  text "Y" at 138.43,114.3 h1.52
  text "R22" at 101.346,113.284 h1.52
  text "C" at 46.228,109.982 h1.52
  text "R" at 53.848,109.982 h1.52
  text "C" at 60.706,109.728 h1.52
  text "R" at 68.072,109.728 h1.52
  text "C" at 74.93,109.728 h1.52
  text "R" at 82.296,109.728 h1.52
  text "Politechnika" at 32.766,104.902 h2.54
  text "MK_ESC ver 1.1" at 102.108,104.902 h1.52
  text "Designed by" at 107.442,101.854 h1.52
  text "Warszawska" at 52.07,99.314 h2.54
  text "Marek Knosala" at 112.014,98.044 h1.52
  text "2u2F" at 150.368,87.376 h1.52 r90
  text "10uF" at 150.622,78.994 h1.52 r90
  text "10nF" at 150.622,70.612 h1.52 r90
  text "KNR" at 87.122,62.23 h4.06 r330
  text "Selfie v5" at 31.496,61.722 h3.3
  text "2u2F / ESR" at 134.874,55.372 h1.52
  text "100nF" at 150.876,52.832 h1.52 r90
  text "PNP_Buzzer" at 126.492,50.546 h1.52
  text "R10k" at 135.636,44.196 h1.52
  text "MEiL" at 144.272,32.258 h3.05 r70
  text "16V / MOTOR" at 41.402,19.05 h1.52
  text "PW" at 25.146,17.78 h4.06
  text "GND" at 37.338,16.002 h1.02
  text "VCC" at 50.292,16.002 h1.02
  text "5-7V" at 59.182,13.97 h1.52
  text "SERVO" at 58.166,11.176 h1.52
  text "3V3 / STM32" at 88.392,11.176 h1.52
  text "5V / MOSFET" at 72.644,10.668 h1.52
  text "Y" at 12.7,9.652 h1.52
  text "Y" at 137.922,9.652 h1.52
  text "R" at 149.352,9.652 h1.52
  text "R" at 2.54,9.398 h1.52
  text "GND" at 86.614,8.382 h1.02
  text "FL" at 17.018,8.128 h1.52
  text "GND" at 56.388,8.128 h1.02
  text "GND" at 71.374,8.128 h1.02
  text "FR" at 133.096,8.128 h1.52
  text "Encoder" at 116.84,6.35 h1.52
  text "Encoder" at 25.908,5.842 h1.52
  text "-" at 17.526,3.556 h1.52
  text "+" at 20.066,3.556 h1.52
  text "S" at 22.86,3.556 h1.52
  text "S" at 128.778,3.556 h1.52
  text "+" at 131.318,3.556 h1.52
  text "-" at 133.858,3.556 h1.52
Bottom Overlay:
  text "R_PNP_NPN" at 110.744,63.246 h1.52 r180
  text "Mosfets" at 89.662,58.166 h1.52 r270
  text "Opto-isolators" at 147.828,54.102 h1.52 r270
  text "SERVO-5V_GND" at 75.692,13.716 h1.02
  text "3V3-5V_GND" at 89.408,13.716 h1.02
  text "MOTOR-SERVO_GND" at 59.69,9.398 h1.02
  text "GND" at 74.082,2.286 h1.02
  text "GND" at 88.56,2.286 h1.02
  text "GND" at 58.842,2.032 h1.02